# Altium PCB TRNG_ying_0_1.PcbDoc
Units mm, origin at the board's own origin, x right, y up, seen from the top; angles counter-clockwise.
Board outline 73.28 x 20.7 mm, 2 copper layers (Top Layer, Bottom Layer); 33 components, 26 nets, 138 pads, 17 vias.
Unrouted connection lines stored in the file: 27.
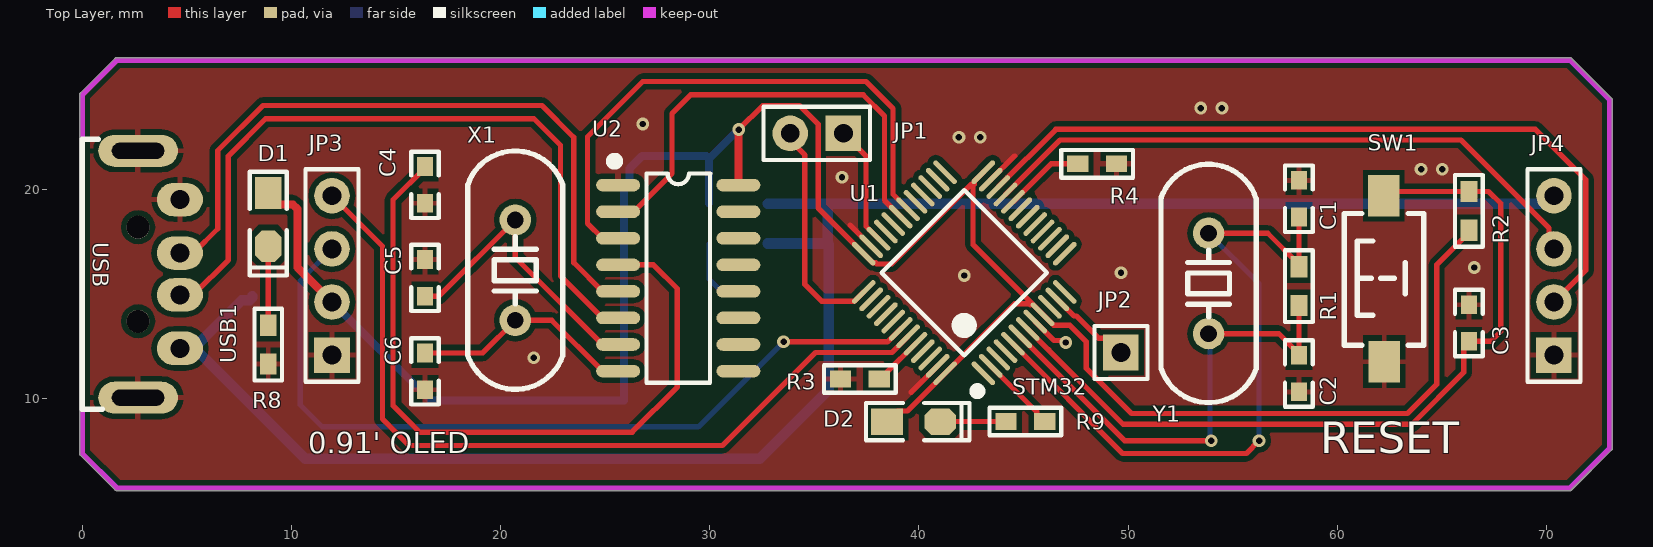
[diagram p0: Top Layer view]
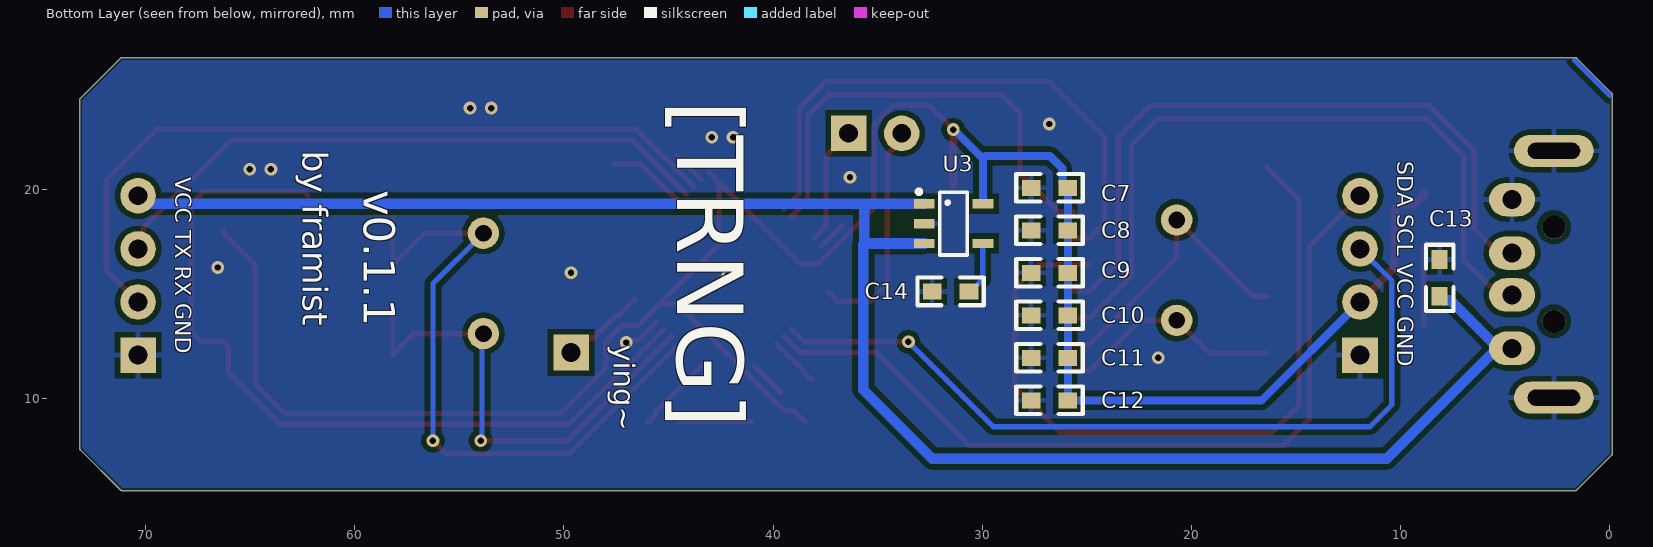
[diagram p1: Bottom Layer view, seen from below]

## Layer stack, top to bottom
Top Solder: solder mask 0.0102, Solder Resist, Dk 3.5
Top Layer: signal copper 0.0356
Dielectric 1: dielectric 0.32, FR-4, Dk 4.8
Bottom Layer: signal copper 0.0356
Bottom Solder: solder mask 0.0102, Solder Resist, Dk 3.5

## Board outline
-0.09,7.275 cw(c0,7.366) -0.127,7.366 -0.127,24.511 cw(c0,24.511) -0.09,24.602 -0.09,24.601 1.561,26.252 1.56,26.252 cw(c1.651,26.162) 1.651,26.289 71.12,26.289 cw(c71.12,26.162) 71.211,26.252 71.21,26.252 73.115,24.347 73.115,24.348 cw(c73.025,24.257) 73.152,24.257 73.152,7.62 cw(c73.025,7.62) 73.115,7.529 73.115,7.53 71.21,5.625 71.211,5.625 cw(c71.12,5.715) 71.12,5.588 1.651,5.588 cw(c1.651,5.715) 1.56,5.625 1.561,5.625

## Design rules (kind name [scope] priority, off if disabled: settings)
Clearance [All] p1: gap=0.152 ignorepadtopadclearanceinfootprint=FALSE except(0.254: Arc-Poly Track-Poly SMDPad-Poly THPad-Poly Via-Poly Fill-Poly Poly-Poly)
HoleToHoleClearance [All] p1: gap=0.152 allowstackedmicrovias=TRUE
MinimumSolderMaskSliver [All] p1: minsoldermaskwidth=0.152
PolygonConnect [All] p1: thpad.connectstyle=Relief thpad.reliefconductorwidth=0.254 thpad.reliefentries=4 thpad.polygonreliefangle="90 Angle" thpad.airgapwidth=0.254 smdpad.connectstyle=Relief smdpad.reliefconductorwidth=0.254 smdpad.reliefentries=4 smdpad.polygonreliefangle="90 Angle" smdpad.airgapwidth=0.254 via.connectstyle=Direct via.reliefconductorwidth=0.254 via.reliefentries=4 via.polygonreliefangle="90 Angle" via.airgapwidth=0.254
RoutingVias [All] p1: holewidth=0.711 width=1.27 viastyle="Through Hole" minholewidth=0.711 minwidth=1.27 maxholewidth=0.711 maxwidth=1.27
SilkToSilkClearance [All] p1: silktosilkclearance=0
SilkToSolderMaskClearance [IsPad] p1: minsilkscreentomaskgap=0.025 clearancetoexposedcopper=TRUE
SolderMaskExpansion [All] p1: expansion=0.102 istentingtop=FALSE
Width [All] p1: maxlimit=0.508 minlimit=0.254 preferedwidth=0.254
26 further rules are at their usual default settings.

## Components (designator, comment, footprint, x,y, rotation, side; value= is the part's Value field where it differs from the comment)
C1 "22P,0603" "C 0603" 58.166,19.558 r90 top value=104
C2 "22P,0603" "C 0603" 58.166,11.176 r270 top value=104
C3 "105 C0603" "C 0603" 66.294,13.589 r270 top value=104
C4 "104" "C 0603" 16.383,20.193 r270 top
C5 "33p" "C 0603" 16.383,15.748 r270 top
C6 "33p" "C 0603" 16.383,11.303 r90 top
C7 "105 C0603" "C 0603" 26.772,20.066 r180 bottom value=104
C8 "105 C0603" "C 0603" 26.772,18.034 r180 bottom value=104
C9 "105 C0603" "C 0603" 26.772,16.002 r180 bottom value=104
C10 "105 C0603" "C 0603" 26.772,13.97 r180 bottom value=104
C11 "105 C0603" "C 0603" 26.772,11.938 r180 bottom value=104
C12 "105 C0603" "C 0603" 26.772,9.906 r180 bottom value=104
C13 "105 C0603" "C 0603" 8.128,15.748 r270 bottom value=104
C14 "105 C0603" "C 0603" 31.496,15.113 r180 bottom value=104
D1 "LED" "LED 0805G" 8.89,18.542 r270 top
D2 "LED" "LED 0805G" 39.751,8.89 r0 top
JP1 "HDR-1X2" HDR-1X2 36.386,22.669 r180 top
JP2 "HDR-1X1" HDR-1X1 49.657,12.192 r0 top
JP3 "HDR-1X4" HDR-1X4 11.938,12.065 r90 top
JP4 "HDR-1X4" HDR-1X4 70.358,12.065 r90 top
R1 "1M0603" "R 0603" 58.166,15.367 r90 top
R2 "10K R0603" "R 0603" 66.294,18.961 r270 top
R3 "10K R0603" "R 0603" 37.173,10.922 r180 top
R4 "10K R0603" "R 0603" 48.514,21.209 r180 top
R8 "10K R0603" "R 0603" 8.89,12.573 r270 top
R9 "10K R0603" "R 0603" 45.085,8.89 r0 top
SW1 "SW-PB_V" "TSW SMD-3*6*2.5" 62.23,15.748 r90 top
U1 "stm32f103c8t6_48pin" "TQFP48 7x7_L" 42.164,16.002 r45 top
U2 "CH340G" SOP16_M 28.494,15.748 r0 top
U3 "RT9193" SOT23-5L 31.372,18.354 r270 bottom
USB1 "USB" USB_A/P_A 2.667,15.933 r270 top
X1 "12MHz" "XTAL-49S DIP" 20.701,16.129 r90 top
Y1 "8M" "XTAL-49S DIP" 53.848,15.494 r90 top

## Footprints (in the part's own frame and the unit in brackets; to place one, negate y for a bottom-side part, rotate by r counter-clockwise, add the part's x,y. Pads: shape width x height; smd on the part's side, far side on the other; paste and mask are expansions set on the pad)
"C 0603" [mil] "无极性贴片电容"
  rect 35x30 smd: 1(-35,0) 2(34,0)
  silkscreen extent -63,-26 62,26, body extent -31,-16 31,16, height 32
HDR-1X1 [mm] "排针，1脚"
  rect 1.7x1.7 hole 0.9: 1(0,0)
  silkscreen extent -1.27,-1.27 1.27,1.27, body extent -1.27,-1.27 1.27,1.27, height 8.5
HDR-1X2 [mm] "排针，2脚"
  rect 1.7x1.7 hole 0.9: 1(0,0)
  round 1.7 hole 0.9: 2(2.54,0)
  silkscreen extent -1.27,-1.27 3.81,1.27, body extent -1.27,-1.27 3.81,1.27, height 8.5
HDR-1X4 [mm] "排针，4脚"
  rect 1.7x1.7 hole 0.9: 1(0,0)
  round 1.7 hole 0.9: 2(2.54,0) 3(5.08,0) 4(7.62,0)
  silkscreen extent -1.27,-1.27 8.89,1.27, body extent -1.27,-1.27 8.89,1.27, height 8.5
"LED 0805G" [mil] "绿色0805LED"
  rect 60x50 smd: 1(-50,0)
  oct 60x50 smd: 2(50,0)
  silkscreen extent -90,-35 105,35, body extent -39,-25 39,25, height 32
"R 0603" [mil] "1/10W贴片电阻"
  rect 40x31.5 smd: 1(-36.5,0) 2(36.5,0)
  silkscreen extent -68,-26 68,26, body extent -31,-16 31,16, height 16
SOP16_M [mm] "10.3*6.2*1.8mm（长宽高）"
  oval 2.1x0.6 smd: 1(-2.875,4.445) 2(-2.875,3.175) 3(-2.875,1.905) 4(-2.875,0.635) 5(-2.875,-0.635) 6(-2.875,-1.905) 7(-2.875,-3.175) 8(-2.875,-4.445) 9(2.875,-4.445) 10(2.875,-3.175) 11(2.875,-1.905) 12(2.875,-0.635) 13(2.875,0.635) 14(2.875,1.905) 15(2.875,3.175) 16(2.875,4.445)
  silkscreen extent -3.2,-5 1.52,5.74, body extent -3,-5 3,5, height 1.9
SOT23-5L [mm] "3x1.6x1.1mm(长宽高)"
  rect 0.45x1 smd: 1(-0.95,-1.4) 2(0,-1.4) 3(0.95,-1.4) 4(0.95,1.4) 5(-0.95,1.4)
  silkscreen extent -1.6,-1.73 1.5,0.66, body extent -1.5,-1.4 1.5,1.4, height 1.15
"TQFP48 7x7_L" [mm] "48脚，体宽：7x7mm, 脚距：0.5mm"
  oval 0.25x1.5 smd: 1(-2.75,-4.046) 2(-2.25,-4.046) 3(-1.75,-4.046) 4(-1.25,-4.046) 5(-0.75,-4.046) 6(-0.25,-4.046) 7(0.25,-4.046) 8(0.75,-4.046) 9(1.25,-4.046) 10(1.75,-4.046) 11(2.25,-4.046) 12(2.75,-4.046) 25(2.75,4.046) 26(2.25,4.046) 27(1.75,4.046) 28(1.25,4.046) 29(0.75,4.046) 30(0.25,4.046) 31(-0.25,4.046) 32(-0.75,4.046) 33(-1.25,4.046) 34(-1.75,4.046) 35(-2.25,4.046) 36(-2.75,4.046)
  oval 1.5x0.25 smd: 13(4.046,-2.75) 14(4.046,-2.25) 15(4.046,-1.75) 16(4.046,-1.25) 17(4.046,-0.75) 18(4.046,-0.25) 19(4.046,0.25) 20(4.046,0.75) 21(4.046,1.25) 22(4.046,1.75) 23(4.046,2.25) 24(4.046,2.75) 37(-4.046,2.75) 38(-4.046,2.25) 39(-4.046,1.75) 40(-4.046,1.25) 41(-4.046,0.75) 42(-4.046,0.25) 43(-4.046,-0.25) 44(-4.046,-0.75) 45(-4.046,-1.25) 46(-4.046,-1.75) 47(-4.046,-2.25) 48(-4.046,-2.75)
  silkscreen extent -3.68,-4.57 2.79,2.79, body extent -4.5,-4.5 4.5,4.5, height 1.05
"TSW SMD-3*6*2.5" [mm] "3*6*2.5mm"
  rect 2x1.5 smd: 1(-3.996,-0.02) 2(3.937,0)
  silkscreen extent -3.21,-1.9 3.09,1.9, body extent -4,-1.88 4,1.62, height 2.59
USB_A/P_A [mm] "A型USB 插头，20*13*4.5mm"
  round 1.1 hole 1.1: 0(-2.25,0) 0(2.25,0)
  oval 1.6x2.2 hole 0.9: 1(3.543,2) 2(0.987,2) 3(-1.013,2) 4(-3.569,2)
  oval 1.524x3.81 hole 0.762 slot 2.5 at 90 deg: 4(-5.9,0) 4(5.9,0)
  silkscreen extent -6.45,-2.67 6.45,-1.7, body extent -6.47,-17.9 6.47,2.1, height 3.25
"XTAL-49S DIP" [mm]
  round 1.5 hole 0.8: 1(-2.4,0) 2(2.4,0)
  silkscreen extent -5.7,-2.28 5.7,2.28, body extent -5.68,-2.35 5.68,2.3, height 3.5

## Part data
C1 C2: library part Cap, "Capacitor", LatestRevisionDate=17-Jul-2002, LatestRevisionNote="Re-released for DXP Platform.", Published=8-Jun-2000, Publisher="Altium Limited"
C3 C7 C8 C9 C10 C11 C12 C13 C14: library part Cap, LatestRevisionDate=17-Jul-2002, LatestRevisionNote="Re-released for DXP Platform.", Published=8-Jun-2000, Publisher="Altium Limited"
C4 C5 C6: BOM_Manufacturer="Samsung Electro-Mechanics", BOM_Manufacturer Part=CL10C330JC81PNC, BOM_Supplier=LCSC, BOM_Supplier Part=C472790, Contributor=LCSC, nameAlias=Capacitance, spicePre=C, spiceSymbolName=CL10C330JC81PNC
JP1: library part "Header 2", "2P接插件", BOM名称=2P接插件, 版权归属=源创客, 学习资源=www.ooocke.com
JP2: library part "Header 1", "1P接插件", BOM名称=1P接插件, 版权归属=源创客, 学习资源=www.ooocke.com
JP3 JP4: library part "Header 4", "4P接插件", BOM名称=4P接插件, 版权归属=源创客, 学习资源=www.ooocke.com
R1: library part Res2, "Resistor", LatestRevisionDate=17-Jul-2002, LatestRevisionNote="Re-released for DXP Platform.", Published=8-Jun-2000, Publisher="Altium Limited"
R2 R3 R4 R8 R9: library part Res2, LatestRevisionDate=17-Jul-2002, LatestRevisionNote="Re-released for DXP Platform.", Published=8-Jun-2000, Publisher="Altium Limited"
U2: BOM_LCSC Assembly=Yes, BOM_Manufacturer=WCH, BOM_Manufacturer Part=CH340G, BOM_Supplier=LCSC, BOM_Supplier Part=C14267, image=//image.lceda.cn/szlcsc/C14267.jpg, SMT Type=Basic, spicePre=U, spiceSymbolName=CH340G, timeStamp=1468327462
U3: library part RT9193X_5P, ICA_MFR_NAME=RICHTEK, ICA_PARTNUM=$$2191094$$RT9193-15CU5, Part Number=TMP-13
USB1: library part USB-A/P, "USB-A型公接口", BOM名称=USB-A型公接口, 版权归属=源创客, 学习资源=www.ooocke.com
X1: BOM_LCSC Assembly=Yes, BOM_Manufacturer="TAITIEN Elec", BOM_Manufacturer Part=XSHEELNANF-12MHZ, BOM_Supplier=LCSC, BOM_Supplier Part=C295065, Contributor=LCSC, nameAlias=Frequency, SMT Type=Extend, spicePre=X, spiceSymbolName=XSHEELNANF-12MHZ
Y1: library part XTAL, "Crystal Oscillator", LatestRevisionDate=17-Jul-2002, LatestRevisionNote="Re-released for DXP Platform.", Published=8-Jun-2000, Publisher="Altium Limited"

## Via types
v1: diameter 0.61, hole 0.305, Top Layer to Bottom Layer, 17 vias

## Nets (pads, with @x,y where several pads share a name; then routed paths per layer and width w, separated by ;. In a path a pad name is that pad's centre, name@x,y a point inside that pad or via, vN(x,y) a via of type N, cw(c..) or ccw(c..) an arc to the next point about the centre after c; other vN are vias at no path point)
5V: C13.2 JP4.4 U3.1 U3.3 USB1.1 | length 87.6
  Bottom Layer w0.508: USB1.1@5.048,12.423 USB1.1@5.348,12.423 ; C13.2 8.128,14.821 8.001,14.694 7.619,14.694 USB1.1@5.348,12.423 ; U3.3 35.638,17.404 ; U3.1 35.687,19.304 ; JP4.4 70.035,19.685 69.654,19.304 35.687,19.304 ; USB1.1@5.348,12.423 10.659,7.112 32.385,7.112 35.687,10.414 35.687,17.355 35.638,17.404 ; 35.638,17.404 35.638,19.255 35.687,19.304
ADC_IN1: JP2.1 U1.11 | length 4.1
  Top Layer w0.254: U1.11 47.416,13.932 47.536,13.932 48.601,12.867 48.982,12.867 JP2.1
BOOT0: R3.1 U1.44 | length 2.5
  Top Layer w0.254: R3.1 38.208,10.922 38.481,11.195 38.481,11.258 U1.44
BOOT1: R4.2 U1.20 | length 3.8
  Top Layer w0.254: U1.20 46.31,21.209 R4.2
D+: U2.5 USB1.3 | length 32.9
  Top Layer w0.254: USB1.3@5.048,16.979 5.348,16.979 6.477,18.108 6.477,21.844 8.636,24.003 21.971,24.003 23.495,22.479 23.495,16.487 24.869,15.113 U2.5
D-: U2.6 USB1.2 | length 34.6
  Top Layer w0.254: USB1.2@5.048,14.979 5.348,14.979 6.985,16.616 6.985,21.59 8.763,23.368 21.59,23.368 22.86,22.098 22.86,15.852 24.869,13.843 U2.6
GND: C1.2 C2.2 C3.1 C4.2 C5.1 C6.1 C7.1 C8.1 C9.1 C10.1 C11.1 C12.1 C13.1 C14.1 JP3.1 JP4.1 R3.2 R4.1 R8.2 SW1.1 U1.8 U1.23 U1.35 U1.47 U2.1 U3.2 USB1.4 | length 6.7
  Top Layer w0.254: 36.703,18.288 36.703,18.281 U1.35 ; 39.631,10.287 39.624,10.287 39.751,10.414 39.758,10.414 U1.47 ; U1.23 44.57,21.59 44.577,21.59 ; U1.8 46.459,12.767 46.923,12.767 v1(47.02,12.67)
  other v1: 21.59,11.938 42.164,15.875 49.657,16.002 66.548,16.256 36.322,20.574 64.008,20.955 65.024,20.955 41.91,22.479 42.926,22.479 26.797,23.114 53.467,23.876 54.483,23.876
I2C1_SCL: JP3.3 U1.42 | length 39.2
  Top Layer w0.254: v1(33.528,12.7) 38.497,12.7 U1.42@39.121,13.323
  Bottom Layer w0.254: JP3.3 10.414,15.621 10.414,9.693 11.471,8.636 29.464,8.636 v1(33.528,12.7)
I2C1_SDA: JP3.4 U1.43 | length 39.5
  Top Layer w0.254: JP3.4 14.351,17.272 14.351,9.017 15.621,7.747 30.607,7.747 35.052,12.192 38.708,12.192 U1.43
NetC5_2: C5.2 U2.7 X1.2 | length 14.3
  Top Layer w0.254: C5.2 17.056,14.884 X1.2 20.701,16.741 24.869,12.573 U2.7
NetC6_2: C6.2 U2.8 X1.1 | length 10.9
  Top Layer w0.254: C6.2 19.139,12.167 X1.1 22.443,13.729 24.869,11.303 U2.8
NetC14_2: C14.2 U3.4 | length 2.6
  Bottom Layer w0.254: U3.4 29.972,15.71 30.569,15.113 C14.2
NetD1_2: D1.2 R8.1 | length 3.8
  Top Layer w0.254: R8.1 D1.2
NetD2_2: D2.2 R9.1 | length 3.5
  Top Layer w0.254: D2.2 R9.1@44.501,8.89
OSCIN: C1.1 R1.2 U1.5 Y1.2 | length 32.4
  Top Layer w0.254: U1.5 49.739,7.366 55.651,7.366 v1(56.261,7.976) ; Y1.2 56.674,17.894 R1.2@58.166,16.402 ; R1.2 R1.2@58.166,16.402 ; C1.1 R1.2@58.166,16.402
  Bottom Layer w0.254: Y1.2 56.261,15.481 v1(56.261,7.976)
OSCOUT: C2.1 R1.1 U1.6 Y1.1 | length 23.5
  Top Layer w0.254: U1.6 49.837,7.976 v1(53.975,7.976) ; Y1.1 57.201,13.094 C2.1@58.166,12.128 ; C2.1 C2.1@58.166,12.128 ; R1.1 C2.1@58.166,12.128
  Bottom Layer w0.254: Y1.1 53.911,13.03 53.911,8.039 v1(53.975,7.976)
PC13_LED1: R9.2 U1.2 | length 3.8
  Top Layer w0.254: U1.2 45.631,9.353 45.631,9.163 45.904,8.89 R9.2
RESET: C3.2 R2.1 SW1.2 U1.7 | length 39.1
  Top Layer w0.254: U1.7 46.203,12.317 49.757,8.763 63.567,8.763 66.04,11.236 66.04,12.471 C3.2 67.335,12.725 67.818,13.208 67.818,19.304 67.234,19.888 R2.1 62.433,19.888 SW1.2
SWDCLK: JP1.2 U1.37 | length 10.8
  Top Layer w0.254: JP1.2 33.846,22.326 34.544,21.627 34.544,15.45 35.347,14.646 36.919,14.646 U1.37
SWDIO: JP1.1 U1.34 | length 5.7
  Top Layer w0.254: JP1.1 37.468,21.587 37.468,18.226 38.066,17.628 U1.34
USART1_RX: U1.31 U2.2 | length 22.3
  Top Layer w0.254: U2.2 26.369,18.923 28.194,20.748 28.194,23.622 29.083,24.511 37.338,24.511 38.354,23.495 38.354,19.461 39.126,18.689 U1.31
USART1_TX: U1.30 U2.3 | length 27.2
  Top Layer w0.254: U2.3 24.869,17.653 24.155,18.367 24.155,22.504 26.797,25.146 37.465,25.146 38.76,23.851 38.76,19.759 U1.30
USART3_RX: JP4.2 U1.22 | length 36.7
  Top Layer w0.254: U1.22 46.547,22.86 69.469,22.86 71.882,20.447 71.882,16.129 JP4.2
USART3_TX: JP4.3 U1.21 | length 29.9
  Top Layer w0.254: U1.21 46.746,22.352 65.913,22.352 70.123,18.142 70.123,17.38 JP4.3
V3: C4.1 U2.4 | length 35.8
  Top Layer w0.254: C4.1 16.383,21.018 14.859,19.494 14.859,9.652 16.129,8.382 26.289,8.382 28.448,10.541 28.448,15.24 27.305,16.383 U2.4 U2.4@24.869,16.383
VCC3V3: C7.2 C8.2 C9.2 C10.2 C11.2 C12.2 D1.1 D2.1 JP3.2 R2.2 U1.9 U1.24 U1.36 U1.48 U2.16 U3.5 | length 111.3
  Top Layer w0.254: v1(31.381,22.848) 32.535,24.003 34.29,24.003 35.179,23.114 35.179,19.098 U1.36 37.798,16.479 37.933,16.479 37.986,16.426 38.699,16.426 42.52,20.247 ; D2.1 38.989,9.398 39.449,9.398 U1.48 44.569,14.518 45.281,14.518 45.335,14.464 ; U1.24 42.641,20.368 42.641,20.233 42.588,20.18 42.588,17.346 45.348,14.585 45.47,14.464 U1.9 45.912,14.025 46.449,13.487 47.219,13.487 48.006,12.7 48.006,11.43 50.165,9.271 63.351,9.271 64.75,10.669 64.75,16.382 66.294,17.926 R2.2
  Top Layer w0.381: D1.1 8.89,19.718 9.335,19.273 10.064,19.273 10.287,19.05 10.287,16.256 JP3.2 ; U2.16 31.381,20.205 v1(31.381,22.848)
  Bottom Layer w0.381: JP3.2 16.637,9.906 C12.2 C11.2 C10.2 C9.2 C8.2 C7.2 25.971,20.066 26.162,20.256 26.162,20.986 26.766,21.59 29.845,21.59 29.972,21.463 ; U3.5 29.972,21.463 ; v1(31.381,22.848) 31.357,22.848 29.972,21.463
pads on no net: U1.1 U1.3 U1.4 U1.10 U1.12 U1.13 U1.14 U1.15 U1.16 U1.17 U1.18 U1.19 U1.25 U1.26 U1.27 U1.28 U1.29 U1.32 U1.33 U1.38 U1.39 U1.40 U1.41 U1.45 U1.46 U2.9 U2.10 U2.11 U2.12 U2.13 U2.14 U2.15 USB1.0
copper on no net: | length 2.4
  Bottom Layer w0.254: 0,24.478 1.684,26.162

## Polygon pours and split planes (outlines as drawn)
GND on Bottom Layer "Bottom Layer-GND" (solid, remove dead copper, pour order 9): 1.651,5.715 71.12,5.715 73.025,7.62 73.025,24.257 71.12,26.162 1.684,26.162 0,24.478 0,7.366
GND on Top Layer "Top Layer-GND" (solid, remove dead copper, pour order 10): 0,24.511 0,7.366 1.651,5.715 71.12,5.715 73.025,7.62 73.025,24.257 71.12,26.162 1.651,26.162

## Keep-outs
Top Layer:
  lines w0.254: 0,7.366 1.651,5.715 71.12,5.715 73.025,7.62 73.025,24.257 71.12,26.162 1.651,26.162 0,24.511 0,7.366

## Silkscreen, mask and mechanical layers (free items; w line width, h text height)
Top Overlay:
  text "STM32" at 44.45,10.16 h0.76
  text "0.91' OLED" at 10.795,7.366 h1.02
  text "RESET" at 59.182,7.366 h1.52
Bottom Overlay:
  text "[TRNG]" at 44.577,24.257 h3.17 r90
  text "by framist" at 62.484,21.844 h1.2 r90
  text "SDA SCL VCC GND" at 10.16,21.336 h0.76 r90
  text "VCC TX RX GND" at 68.58,20.574 h0.76 r90
  text "v0.1.1" at 59.563,19.939 h1.52 r90
  text "ying~" at 47.625,12.573 h1.02 r90